# KiCad board main_MagicAlonso-rounded.kicad_pcb (continued)
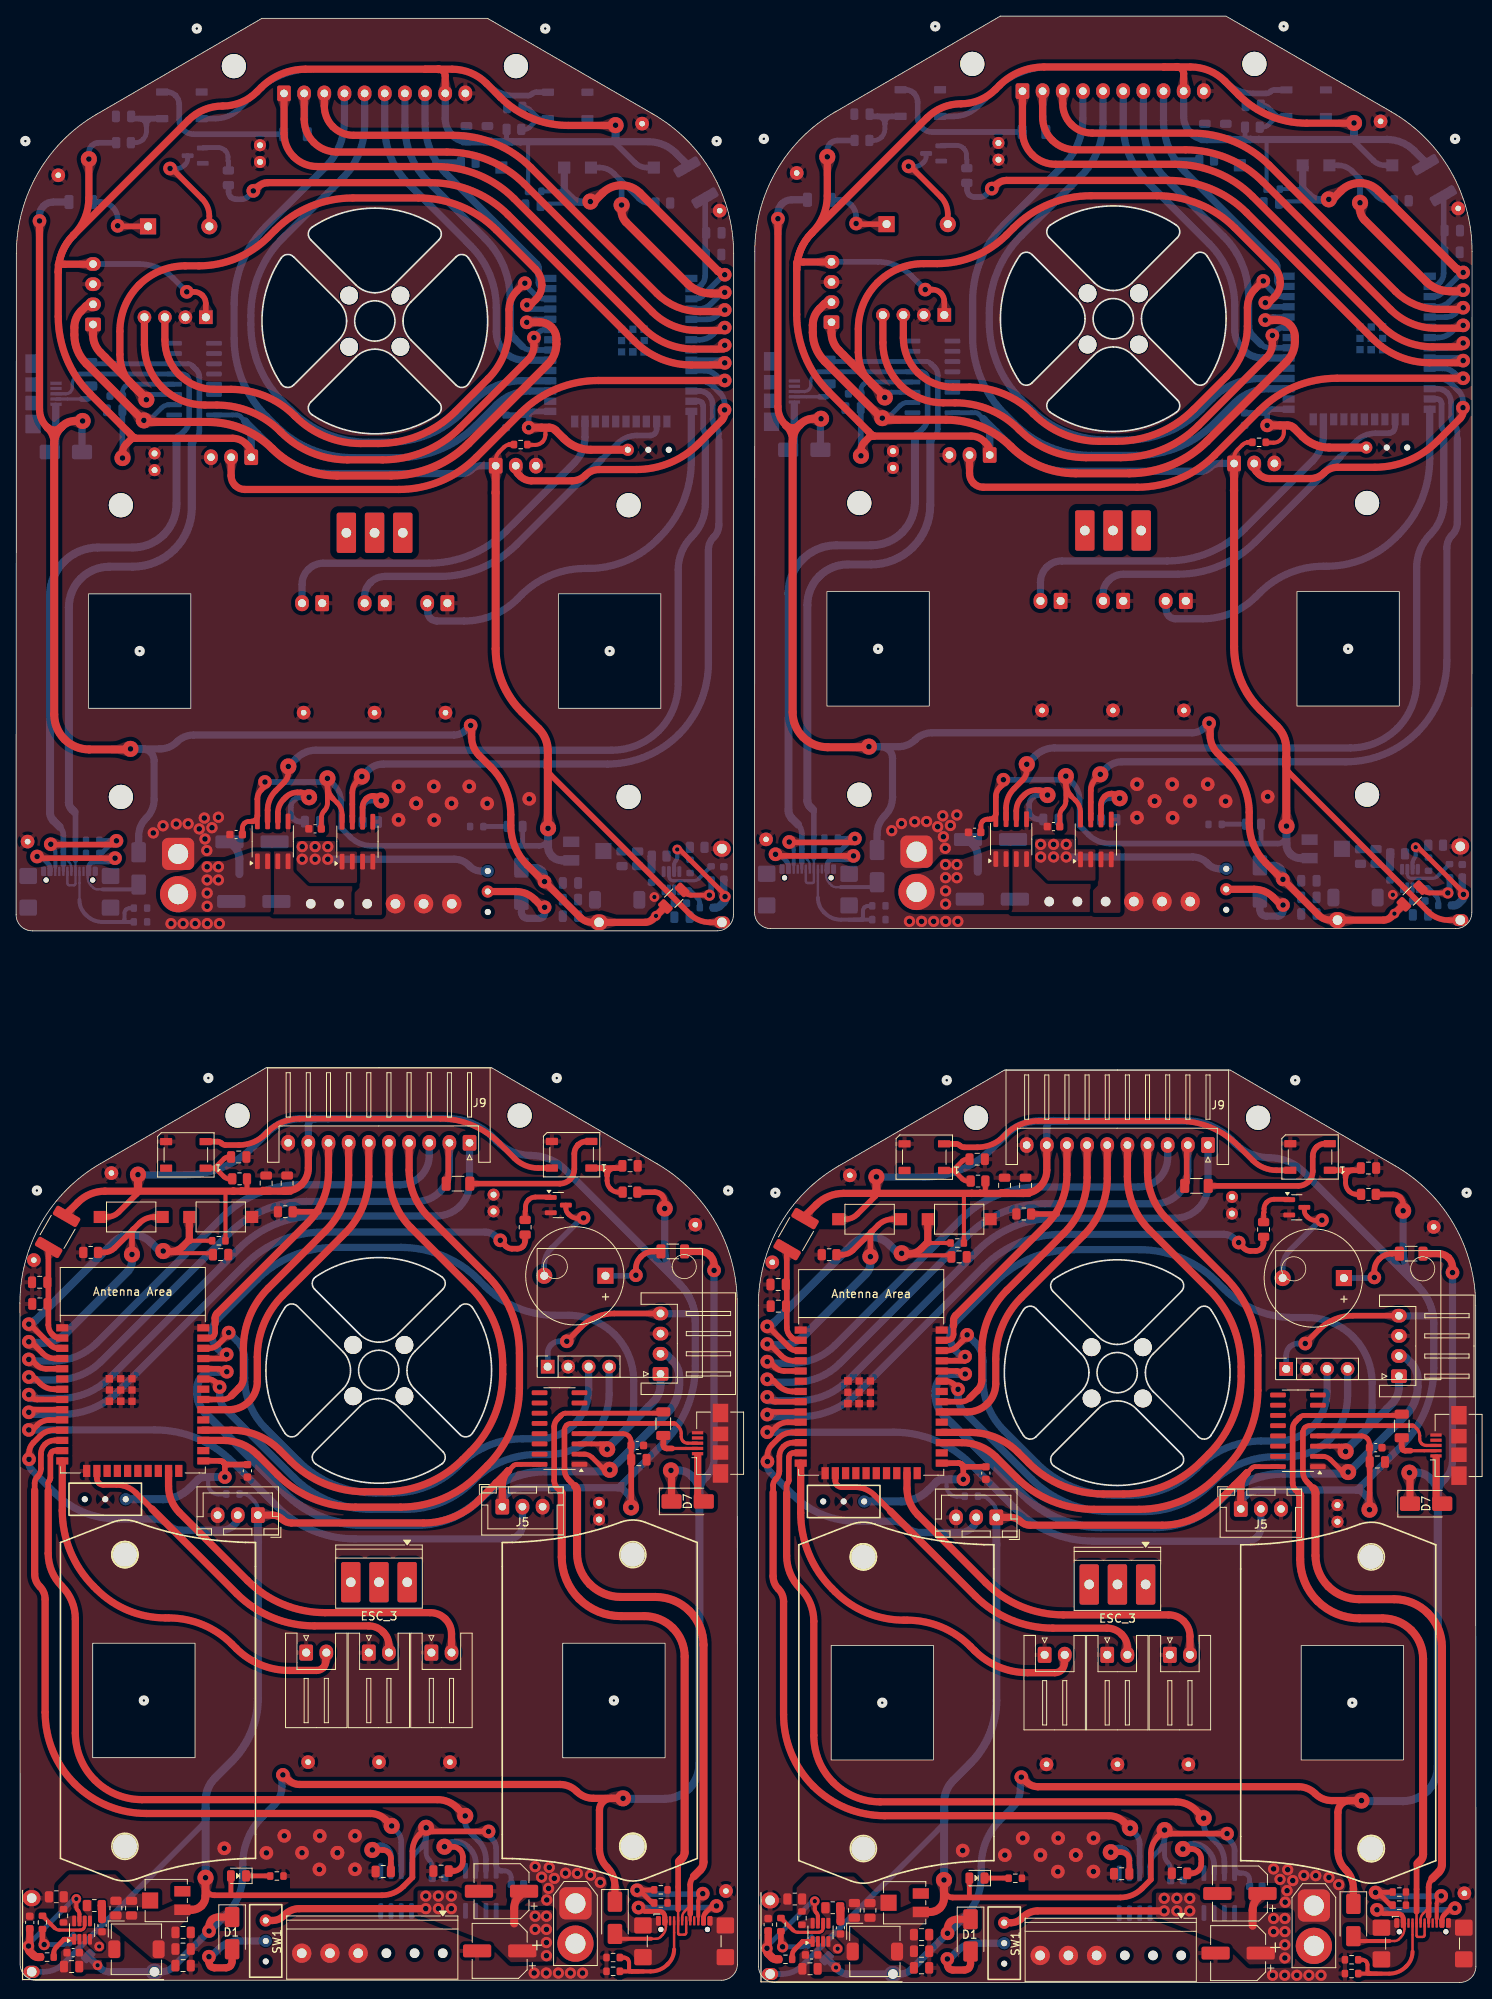
[diagram p0: board, top side]
## Nets (continued)
/BOOT: C8.1 C8#2.1 C8#3.1 C8#4.1 R3.1 R3#2.1 R3#3.1 R3#4.1 SW3.1 SW3#2.1 SW3#3.1 SW3#4.1 U1.25 U1#2.25 U1#3.25 U1#4.25
/BUTTON: R9.2 R9#2.2 R9#3.2 R9#4.2 SW4.2 SW4#2.2 SW4#3.2 SW4#4.2 U1.4 U1#2.4 U1#3.4 U1#4.4
/BUZ: R8.2 R8#2.2 R8#3.2 R8#4.2 U1.9 U1#2.9 U1#3.9 U1#4.9
/CH340C/CC1: J13.A5 J13#2.A5 J13#3.A5 J13#4.A5 R10.2 R10#2.2 R10#3.2 R10#4.2 R11.2 R11#2.2 R11#3.2 R11#4.2
/CH340C/CC2: J13.B5 J13#2.B5 J13#3.B5 J13#4.B5 R12.2 R12#2.2 R12#3.2 R12#4.2 R13.2 R13#2.2 R13#3.2 R13#4.2
/CH340C/D+: J13.A6 J13.B6 J13#2.A6 J13#2.B6 J13#3.A6 J13#3.B6 J13#4.A6 J13#4.B6 J16.3 J16#2.3 J16#3.3 J16#4.3 U4.5 U4#2.5 U4#3.5 U4#4.5
/CH340C/D-: J13.A7 J13.B7 J13#2.A7 J13#2.B7 J13#3.A7 J13#3.B7 J13#4.A7 J13#4.B7 J16.2 J16#2.2 J16#3.2 J16#4.2 REF**#6.1 REF**#6.2 REF**#9.1 REF**#9.2 REF**#15.1 REF**#15.2 REF**#17.1 REF**#17.2 U4.6 U4#2.6 U4#3.6 U4#4.6
/CH340C/VMusB: D7.2 D7#2.2 D7#3.2 D7#4.2 J16.1 J16#2.1 J16#3.1 J16#4.1
/CH340C/VMusC: D6.2 D6#2.2 D6#3.2 D6#4.2 J13.A4 J13.A9 J13.B4 J13.B9 J13#2.A4 J13#2.A9 J13#2.B4 J13#2.B9 J13#3.A4 J13#3.A9 J13#3.B4 J13#3.B9 J13#4.A4 J13#4.A9 J13#4.B4 J13#4.B9
/CurrESC1&2: U1.13 U1#2.13 U1#3.13 U1#4.13 U2.7 U2#2.7 U2#3.7 U2#4.7
/CurrESC2: U1.12 U1#2.12 U1#3.12 U1#4.12 U3.7 U3#2.7 U3#3.7 U3#4.7
/D_LED: D3.2 D3#2.2 D3#3.2 D3#4.2 D5.4 D5#2.4 D5#3.4 D5#4.4
/Data_1aux: J9.2 J9#2.2 J9#3.2 J9#4.2 REF**#7.2 REF**#8.2 REF**#12.2 REF**#14.2 U1.7 U1#2.7 U1#3.7 U1#4.7
/Data_2aux: J9.1 J9#2.1 J9#3.1 J9#4.1 U1.8 U1#2.8 U1#3.8 U1#4.8
/Data_EN: J9.8 J9#2.8 J9#3.8 J9#4.8 R6.2 R6#2.2 R6#3.2 R6#4.2 U1.37 U1#2.37 U1#3.37 U1#4.37
/Data_S0: J9.7 J9#2.7 J9#3.7 J9#4.7 U1.31 U1#2.31 U1#3.31 U1#4.31
/Data_S1: J9.6 J9#2.6 J9#3.6 J9#4.6 U1.30 U1#2.30 U1#3.30 U1#4.30
/Data_S2: J9.5 J9#2.5 J9#3.5 J9#4.5 U1.28 U1#2.28 U1#3.28 U1#4.28
/Data_S3: J9.4 J9#2.4 J9#3.4 J9#4.4 U1.27 U1#2.27 U1#3.27 U1#4.27
/Data_SIG: J9.3 J9#2.3 J9#3.3 J9#4.3 U1.5 U1#2.5 U1#3.5 U1#4.5
/EN: C7.1 C7#2.1 C7#3.1 C7#4.1 R2.1 R2#2.1 R2#3.1 R2#4.1 SW2.1 SW2#2.1 SW2#3.1 SW2#4.1 U1.3 U1#2.3 U1#3.3 U1#4.3
/Enc1: J4.2 J4#2.2 J4#3.2 J4#4.2 U1.11 U1#2.11 U1#3.11 U1#4.11
/Enc2: J5.2 J5#2.2 J5#3.2 J5#4.2 U1.10 U1#2.10 U1#3.10 U1#4.10
/ESC1&2_VM: J15.1 J15.2 J15#2.1 J15#2.2 J15#3.1 J15#3.2 J15#4.1 J15#4.2 U2.3 U2.4 U2#2.3 U2#2.4 U2#3.3 U2#3.4 U2#4.3 U2#4.4
/ESC3_VM: J15.3 J15#2.3 J15#3.3 J15#4.3 U3.3 U3.4 U3#2.3 U3#2.4 U3#3.3 U3#3.4 U3#4.3 U3#4.4
/ESC_1: J10.2 J10#2.2 J10#3.2 J10#4.2 U1.14 U1#2.14 U1#3.14 U1#4.14
/ESC_2: J11.2 J11#2.2 J11#3.2 J11#4.2 U1.16 U1#2.16 U1#3.16 U1#4.16
/ESC_3: J12.2 J12#2.2 J12#3.2 J12#4.2 U1.23 U1#2.23 U1#3.23 U1#4.23
/LEDs: D3.4 D3#2.4 D3#3.4 D3#4.4
/RX: J14.1 J14#2.1 J14#3.1 J14#4.1 U1.35 U1#2.35 U1#3.35 U1#4.35 U4.3 U4#2.3 U4#3.3 U4#4.3
/SCL: J2.3 J2#2.3 J2#3.3 J2#4.3 U1.36 U1#2.36 U1#3.36 U1#4.36
/SDA: J2.4 J2#2.4 J2#3.4 J2#4.4 U1.33 U1#2.33 U1#3.33 U1#4.33
/StepDown_2315/AAM: R16.1 R16#2.1 R16#3.1 R16#4.1 ST1.1 ST1#2.1 ST1#3.1 ST1#4.1
/StepDown_2315/BST: R14.2 R14#2.2 R14#3.2 R14#4.2 ST1.5 ST1#2.5 ST1#3.5 ST1#4.5
/StepDown_2315/FB: Rt1.1 Rt1#2.1 Rt1#3.1 Rt1#4.1 ST1.8 ST1#2.8 ST1#3.8 ST1#4.8
/StepDown_2315/Rt: R17.2 R17#2.2 R17#3.2 R17#4.2 Rp1.1 Rp1#2.1 Rp1#3.1 Rp1#4.1 Rp2.1 Rp2#2.1 Rp2#3.1 Rp2#4.1 Rt1.2 Rt1#2.2 Rt1#3.2 Rt1#4.2 RV1.2 RV1#2.2 RV1#3.2 RV1#4.2
/StepDown_2315/SW: C19.2 C19#2.2 C19#3.2 C19#4.2 L1.1 L1#2.1 L1#3.1 L1#4.1 ST1.3 ST1#2.3 ST1#3.3 ST1#4.3
/TX: J14.2 J14#2.2 J14#3.2 J14#4.2 U1.34 U1#2.34 U1#3.34 U1#4.34 U4.2 U4#2.2 U4#3.2 U4#4.2
/Vb: C17.1 C17#2.1 C17#3.1 C17#4.1 C18.1 C18#2.1 C18#3.1 C18#4.1 D1.1 D1#2.1 D1#3.1 D1#4.1 D6.1 D6#2.1 D6#3.1 D6#4.1 D7.1 D7#2.1 D7#3.1 D7#4.1 R4.2 R4#2.2 R4#3.2 R4#4.2 R15.2 R15#2.2 R15#3.2 R15#4.2 REF**#4.1 REF**#4.2 REF**#10.1 REF**#10.2 REF**#18.1 REF**#18.2 REF**#19.1 REF**#19.2 ST1.2 ST1#2.2 ST1#3.2 ST1#4.2 U6.1 U6#2.1 U6#3.1 U6#4.1
/VM: C2.1 C2#2.1 C2#3.1 C2#4.1 C28.1 C28#2.1 C28#3.1 C28#4.1 J1.P J1#2.P J1#3.P J1#4.P SW1.1 SW1#2.1 SW1#3.1 SW1#4.1 U2.1 U2.2 U2#2.1 U2#2.2 U2#3.1 U2#3.2 U2#4.1 U2#4.2 U3.1 U3.2 U3#2.1 U3#2.2 U3#3.1 U3#3.2 U3#4.1 U3#4.2
Net-(BZ1-+): BZ1.1 BZ1#2.1 BZ1#3.1 BZ1#4.1 R4.1 R4#2.1 R4#3.1 R4#4.1
Net-(BZ1--): BZ1.2 BZ1#2.2 BZ1#3.2 BZ1#4.2 Q1.3 Q1#2.3 Q1#3.3 Q1#4.3
Net-(C19-Pad1): C19.1 C19#2.1 C19#3.1 C19#4.1 R14.1 R14#2.1 R14#3.1 R14#4.1
Net-(D1-A): D1.2 D1#2.2 D1#3.2 D1#4.2 SW1.2 SW1#2.2 SW1#3.2 SW1#4.2
Net-(D2-K): D2.1 D2#2.1 D2#3.1 D2#4.1 R1.1 R1#2.1 R1#3.1 R1#4.1
Net-(D3-VDD): C24.1 C24#2.1 C24#3.1 C24#4.1 D3.1 D3#2.1 D3#3.1 D3#4.1 R5.1 R5#2.1 R5#3.1 R5#4.1
Net-(D5-VDD): C26.1 C26#2.1 C26#3.1 C26#4.1 D5.1 D5#2.1 D5#3.1 D5#4.1 R7.1 R7#2.1 R7#3.1 R7#4.1
Net-(Q1-G): Q1.1 Q1#2.1 Q1#3.1 Q1#4.1 R8.1 R8#2.1 R8#3.1 R8#4.1
Net-(ST1-EN/SYNC): R15.1 R15#2.1 R15#3.1 R15#4.1 ST1.6 ST1#2.6 ST1#3.6 ST1#4.6
Net-(U2-FILTER): C9.1 C9#2.1 C9#3.1 C9#4.1 U2.6 U2#2.6 U2#3.6 U2#4.6
Net-(U3-FILTER): C10.1 C10#2.1 C10#3.1 C10#4.1 U3.6 U3#2.6 U3#3.6 U3#4.6

Pads without a net: D5 2; D5#2 2; D5#3 2; D5#4 2; ESC_3 1 2 3; ESC_3#2 1 2 3; ESC_3#3 1 2 3; ESC_3#4 1 2 3; J13 A8 B8; J13#2 A8 B8; J13#3 A8 B8; J13#4 A8 B8; J16 4; J16#2 4; J16#3 4; J16#4 4; REF**#7 1; REF**#8 1; REF**#12 1; REF**#14 1; RV1 1; RV1#2 1; RV1#3 1; RV1#4 1; SW1 3; SW1#2 3; SW1#3 3; SW1#4 3; SW3 3; SW3#2 3; SW3#3 3; SW3#4 3; U1 6 17 18 19 20 21 22 24 26 29 32; U1#2 6 17 18 19 20 21 22 24 26 29 32; U1#3 6 17 18 19 20 21 22 24 26 29 32; U1#4 6 17 18 19 20 21 22 24 26 29 32; U4 7 8 9 10 11 12 13 14 15; U4#2 7 8 9 10 11 12 13 14 15; U4#3 7 8 9 10 11 12 13 14 15; U4#4 7 8 9 10 11 12 13 14 15

## Via types
v1: diameter 1.7, hole 0.7, Top to Bottom, 144 vias
v2: diameter 2, hole 0.7, Top to Bottom, 60 vias
v3: diameter 1.2, hole 0.55, Top to Bottom, 12 vias
v4: diameter 1.4, hole 0.7, Top to Bottom, 116 vias

## Routing (per net, layer and track width the routed paths; a pad name or vN(x,y) marks a point on that pad's centre or on a via; arc(x,y) is an arc through that point)
+3.3V: length 1753.5
  Top w0.5: 26.02,98.21 26,98.19 arc(25.98,98.16) 25.97,98.13 R2.2 ; 118.55,97.91 118.56,97.92 arc(118.56,97.93) 118.56,97.93 ; 117.65,97.93 117.62,97.91 arc(117.61,97.88) 117.6,97.85 R2#2.2 ; J4#4.1 151.12,189.15 arc(151.24,189.74) 151.57,190.24 152.15,190.81 arc(152.51,191.06) 152.94,191.14 153.08,191.14 152.78,191.14 arc(152.77,191.14) 152.76,191.15 152.76,191.15 ; 61.14,190.87 61.14,190.87 arc(61.15,190.86) 61.15,190.86 61.46,190.86 61.31,190.86 arc(60.89,190.78) 60.52,190.54 59.95,189.96 arc(59.62,189.46) 59.5,188.87 J4#3.1 ; 26.92,98.19 26.94,98.2 arc(26.94,98.21) 26.93,98.21
  Top w0.6: 61.1,63.53 61.7,64.13 arc(61.89,64.26) 62.12,64.3 U4.16 ; 130.89,147.25 131.45,146.69 arc(131.91,146) 132.07,145.2 U3.8 ; R5.2 120.27,98.07 arc(120.26,98.02) 120.23,97.97 arc(120.18,97.94) 120.13,97.93 ; C5#2.2 28.08,143.27 arc(28.14,143.59) 28.31,143.85 arc(28.58,144.03) 28.89,144.09 29.25,144.09 ; R5#2.2 28.64,98.35 arc(28.63,98.29) 28.6,98.25 arc(28.56,98.22) 28.51,98.21 ; 39.27,146.97 39.83,146.41 arc(40.29,145.73) 40.45,144.92 U3#2.8 ; D2.2 26.65,10.87 ; U4.4 75.3,68.11 arc(75.68,68.04) 76.01,67.82 arc(76.22,67.5) 76.3,67.11 76.3,66.67 arc(76.3,66.65) 76.31,66.64 arc(76.32,66.63) 76.32,66.61 C13.1 ; U4#2.16 153.75,64.03 arc(153.52,63.98) 153.32,63.85 152.72,63.25 ; C5.2 119.7,143.55 arc(119.76,143.86) 119.94,144.13 arc(120.2,144.31) 120.52,144.37 120.87,144.37 ; U4#2.4 166.92,67.84 arc(167.31,67.76) 167.63,67.54 arc(167.85,67.22) 167.92,66.84 167.92,66.39 arc(167.93,66.38) 167.94,66.36 arc(167.95,66.35) 167.95,66.33 C13#2.1 ; D2#2.2 118.28,10.59 ; v2(130.25,149.72) 130.25,146.62 arc(130.15,146.13) 129.87,145.72 arc(129.6,145.3) 129.5,144.81 129.5,143.48 arc(129.5,143.47) 129.51,143.46 arc(129.51,143.45) 129.5,143.45 C6#2.2 ; C6.2 37.88,143.17 arc(37.88,143.18) 37.88,143.18 arc(37.88,143.19) 37.88,143.2 37.88,144.53 arc(37.97,145.02) 38.25,145.44 arc(38.53,145.85) 38.62,146.34 v2(38.62,149.44)
  Top w0.7: J14.4 165.84,82.75 arc(163.58,82.3) 161.67,81.03 v1(159.95,79.3) ; v2(172.1,95.78) 172.1,96.56 arc(172,97.04) 171.74,97.44 arc(171.33,97.71) 170.86,97.8 168.72,97.8 arc(168.72,97.8) 168.71,97.81 R7.2 ; v2(23.5,13) 23.5,11.92 arc(23.82,11.15) 24.59,10.83 45.38,10.83 arc(46.83,11.12) 48.06,11.94 49.17,13.05 49.17,16.3 arc(49.4,17.41) 50.02,18.35 v2(50.87,19.2) 51.1,18.98 arc(51.35,18.81) 51.64,18.75 v1(58.62,18.75) ; v1(122.5,149.27) 122.5,149.02 arc(122.45,148.78) 122.32,148.59 122.03,148.3 arc(121.68,147.77) 121.56,147.16 121.56,145.06 arc(121.36,144.57) 120.87,144.37 ; v2(115.12,12.72) 115.12,11.64 arc(115.44,10.87) 116.21,10.55 137,10.55 arc(138.45,10.84) 139.69,11.66 140.8,12.78 140.8,16.02 arc(141.02,17.13) 141.65,18.07 v2(142.5,18.93) 142.72,18.7 arc(142.97,18.53) 143.27,18.47 v1(150.25,18.47) ; J14#2.4 74.21,83.03 arc(71.96,82.58) 70.05,81.3 v1(68.32,79.58) ; SW4#2.1 11.25,95 arc(12.06,95.16) 12.74,95.62 14.99,97.87 arc(15.09,98.02) 15.12,98.2 ; 167.57,59.03 v2(167.92,58.68) 167.94,58.69 arc(167.95,58.7) 167.95,58.72 C13#2.1 ; v1(112.8,210.09) 113.69,210.09 arc(114.25,209.98) 114.73,209.66 arc(115.05,209.18) 115.16,208.61 J2#3.1 ; 120.71,189.65 120.62,189.74 ; v1(21.18,209.81) 22.06,209.81 arc(22.63,209.7) 23.11,209.38 arc(23.43,208.9) 23.54,208.34 23.54,206.66 ; v2(38.62,149.44) 38.62,148.52 arc(38.79,147.68) 39.27,146.97 ; U6#3.3 86.09,131.57 arc(84.73,131.84) 83.58,132.61 66.34,149.85 arc(66.07,150.25) 65.97,150.72 ; U6#4.3 177.72,131.85 arc(176.36,132.12) 175.2,132.89 157.96,150.13 arc(157.69,150.53) 157.6,151 ; 29.09,189.37 29,189.46 ; R7#2.2 77.09,98.08 arc(77.09,98.08) 77.1,98.08 79.24,98.08 arc(79.71,97.98) 80.11,97.72 arc(80.38,97.31) 80.47,96.84 v2(80.47,96.05) ; 75.95,59.3 v2(76.3,58.95) 76.31,58.97 arc(76.32,58.98) 76.32,59 C13.1 ; SW4.1 102.87,94.72 arc(103.68,94.89) 104.37,95.34 106.61,97.59 arc(106.71,97.74) 106.75,97.92 ; v2(130.25,149.72) 130.25,148.8 arc(130.42,147.96) 130.89,147.25 ; v1(30.88,148.99) 30.88,148.74 arc(30.83,148.51) 30.7,148.31 30.41,148.02 arc(30.06,147.5) 29.94,146.88 29.94,144.78 arc(29.73,144.29) 29.25,144.09
  Top w0.9: 118.59,97.93 102.66,97.93 arc(100.83,97.57) 99.28,96.53 98,95.26 arc(97.92,95.12) 97.89,94.97 F1#2.1 ; 118.59,97.93 119.6,97.93 ; 118.59,97.93 arc(118.57,97.93) 118.56,97.92 ; 98.75,217.14 113,231.39 arc(114.95,232.69) 117.25,233.15 arc(119.54,233.61) 121.49,234.91 122.02,235.44 arc(124.55,237.13) 127.54,237.72 142.39,237.72 ; 98.75,217.14 arc(97.34,215.04) 96.85,212.55 ; 98.75,217.14 arc(97.34,215.04) 96.85,212.55 ; 98.75,217.14 arc(100.15,219.24) 100.65,221.73 v2(100.65,226.57) 100.18,226.57 ; J4.1 31.81,58 arc(32.45,57.88) 32.99,57.52 arc(33.53,57.15) 34.16,57.03 50.55,57.03 arc(54.29,57.77) 57.46,59.89 59.55,61.98 ; 106.48,191.92 118.49,191.92 arc(119.38,191.74) 120.12,191.24 120.45,190.92 arc(120.71,190.53) 120.8,190.07 120.8,189.69 arc(120.77,189.64) 120.71,189.65 ; 106.48,191.92 106.16,191.92 ; 106.48,191.92 arc(106.33,191.94) 106.21,192.03 ; J9#2.9 36.26,101.08 arc(36.04,99.98) 35.42,99.05 arc(34.48,98.42) 33.38,98.2 28,98.2 arc(27.99,98.2) 27.99,98.21 ; J9#4.9 53.24,236.62 arc(53,237.2) 52.42,237.44 ; 28.51,98.21 27.99,98.21 ; 27.99,98.21 27.98,98.21 ; 27.99,98.21 arc(27.99,98.21) 27.99,98.21 ; 52.42,237.44 54.09,237.44 arc(56.4,236.98) 58.36,235.67 60.09,233.95 arc(63.95,231.37) 68.51,230.46 74.33,230.46 arc(74.35,230.47) 74.36,230.48 v2(74.38,230.49) ; 52.42,237.44 50.77,237.44 ; 52.42,237.44 50.77,237.44 ; 7.12,216.86 21.38,231.11 arc(23.32,232.42) 25.62,232.87 arc(27.92,233.33) 29.87,234.63 30.4,235.16 arc(32.93,236.85) 35.91,237.44 50.77,237.44 ; 7.12,216.86 arc(5.72,214.76) 5.22,212.28 ; 7.12,216.86 arc(8.53,218.97) 9.03,221.45 v2(9.03,226.29) 8.55,226.29 ; 7.12,216.86 arc(5.72,214.76) 5.22,212.28 ; 59.55,61.98 61.1,63.53 61.1,63.53 61,63.42 arc(60.5,62.6) 60.32,61.66 ; 59.55,61.98 arc(60.04,62.08) 60.32,61.66 ; v2(166,230.77) 165.99,230.76 arc(165.97,230.74) 165.95,230.74 160.13,230.74 arc(155.57,231.65) 151.71,234.23 149.99,235.95 arc(148.03,237.26) 145.72,237.72 144.04,237.72 ; J4#2.1 123.43,57.72 arc(124.07,57.6) 124.61,57.24 arc(125.15,56.88) 125.79,56.75 142.18,56.75 arc(145.92,57.49) 149.09,59.61 151.17,61.7 ; v2(13.2,189.19) 13.2,189.82 arc(13.32,190.41) 13.65,190.91 14.26,191.52 arc(14.39,191.61) 14.53,191.64 ; 9.55,213.24 5.4,213.24 arc(5.33,213.22) 5.28,213.19 5.22,213.14 ; 119.6,97.93 119.61,97.93 ; 119.6,97.93 arc(119.61,97.93) 119.61,97.93 ; 119.61,97.93 120.13,97.93 ; 119.61,97.93 arc(119.61,97.93) 119.61,97.93 ; 6.03,213.23 6.03,213.24 ; 26.97,98.21 27.98,98.21 ; 26.97,98.21 11.03,98.21 arc(9.21,97.85) 7.66,96.81 6.38,95.53 arc(6.29,95.4) 6.26,95.25 F1.1 ; 26.97,98.21 arc(26.95,98.21) 26.94,98.2 ; 27.98,98.21 arc(27.98,98.21) 27.99,98.21 ; 5.22,212.28 5.22,206.74 arc(6.26,201.54) 9.21,197.12 14.58,191.75 ; J9.9 127.88,100.8 arc(127.66,99.7) 127.04,98.77 arc(126.11,98.14) 125.01,97.93 119.62,97.93 arc(119.61,97.93) 119.61,97.93 ; 106.16,191.92 arc(106.01,191.89) 105.89,191.8 105.27,191.19 arc(104.94,190.69) 104.82,190.1 v2(104.82,189.47) ; 106.16,191.92 arc(106.22,191.96) 106.21,192.03 ; 14.53,191.64 14.85,191.64 ; 14.53,191.64 arc(14.6,191.68) 14.58,191.75 ; 14.85,191.64 26.87,191.64 arc(27.75,191.46) 28.5,190.96 28.82,190.64 arc(29.08,190.25) 29.18,189.79 29.18,189.41 arc(29.14,189.36) 29.09,189.37 ; 14.85,191.64 arc(14.71,191.67) 14.58,191.75 ; 151.95,61.38 J5.1 ; 151.95,61.38 arc(152.12,62.32) 152.62,63.14 152.72,63.25 152.72,63.25 151.17,61.7 ; 151.95,61.38 arc(151.67,61.8) 151.17,61.7 ; 97.65,213.51 97.66,213.52 ; 60.32,61.66 J5#2.1 ; 144.04,237.72 142.39,237.72 ; 144.04,237.72 142.39,237.72 ; 144.04,237.72 arc(144.62,237.48) 144.86,236.9 J9#3.9 ; 101.17,213.52 97.02,213.52 arc(96.95,213.5) 96.9,213.47 96.85,213.42 ; 106.21,192.03 100.83,197.4 arc(97.88,201.81) 96.85,207.02 96.85,212.55
  Top w1: v2(115.12,12.72) 115.12,10.46 arc(114.99,9.8) 114.62,9.25 arc(114.07,8.88) 113.42,8.75 RV1#2.3 ; 157.6,152.03 157.6,151 ; 157.6,152.03 157.6,153.13 arc(157.3,154.61) 156.46,155.87 154.36,157.97 arc(151.97,161.56) 151.12,165.79 J4#4.1 ; 157.6,152.03 157.6,151 ; 157.6,151 157.6,143.56 arc(157.6,143.54) 157.61,143.53 v2(157.62,143.52) ; v2(106.74,99.98) 106.75,99.98 arc(106.75,99.97) 106.75,99.97 106.75,97.92 ; v2(66,143.24) 65.99,143.25 arc(65.98,143.26) 65.97,143.28 65.97,150.72 ; 65.97,150.72 65.97,151.75 ; 65.97,150.72 65.97,151.75 ; 65.97,151.75 65.97,152.85 arc(65.68,154.33) 64.84,155.6 62.74,157.69 arc(60.34,161.28) 59.5,165.51 J4#3.1 ; 151.1,185.17 151.12,185.14 ; v2(23.5,13) 23.5,10.74 arc(23.37,10.08) 23,9.53 arc(22.45,9.16) 21.79,9.03 RV1.3 ; 59.47,184.89 59.5,184.86 ; v2(15.12,100.26) 15.12,100.26 arc(15.12,100.25) 15.12,100.25 15.12,98.2
  Bottom w0.5: 62.58,228.42 62.56,228.43 arc(62.56,228.44) 62.57,228.44 ; R2#4.2 155.15,228.64 arc(155.14,228.67) 155.12,228.7 155.1,228.72 ; J4.1 30,58.64 arc(29.88,59.23) 29.55,59.73 28.98,60.3 arc(28.61,60.54) 28.19,60.63 28.04,60.63 28.35,60.63 arc(28.35,60.63) 28.36,60.63 28.36,60.64 ; R2#3.2 63.53,228.36 arc(63.52,228.39) 63.5,228.42 63.47,228.44 ; 154.2,228.7 154.19,228.71 arc(154.18,228.72) 154.19,228.72 ; 119.99,60.36 119.98,60.35 arc(119.98,60.35) 119.97,60.35 119.66,60.35 119.81,60.35 arc(120.24,60.27) 120.6,60.02 121.17,59.45 arc(121.51,58.95) 121.62,58.36 J4#2.1
  Bottom w0.6: U3#4.8 49.05,14.69 arc(49.21,15.49) 49.67,16.17 50.23,16.73 ; U4#3.16 119,194.82 arc(119.23,194.77) 119.43,194.64 120.02,194.04 ; 28.4,193.76 27.8,194.36 arc(27.61,194.49) 27.38,194.54 U4#4.16 ; v2(50.87,19.2) 50.87,16.11 arc(50.97,15.62) 51.25,15.2 arc(51.53,14.79) 51.62,14.3 51.62,12.96 arc(51.62,12.95) 51.62,12.95 arc(51.62,12.94) 51.62,12.94 C6#3.2 ; 151.88,13.58 152.23,13.58 arc(152.54,13.52) 152.81,13.34 arc(152.99,13.07) 153.05,12.76 C5#4.2 ; U3#3.8 140.68,14.41 arc(140.84,15.21) 141.29,15.9 141.85,16.45 ; C5#3.2 61.42,13.04 arc(61.36,13.35) 61.18,13.62 arc(60.92,13.8) 60.61,13.86 60.25,13.86 ; C6#4.2 143.24,12.66 arc(143.24,12.66) 143.24,12.67 arc(143.25,12.68) 143.25,12.69 143.25,14.02 arc(143.15,14.51) 142.87,14.93 arc(142.6,15.34) 142.5,15.83 v2(142.5,18.93) ; D2#3.2 154.47,141.38 ; C13#3.1 104.8,197.12 arc(104.8,197.14) 104.81,197.15 arc(104.82,197.17) 104.82,197.18 104.82,197.63 arc(104.9,198.01) 105.12,198.33 arc(105.44,198.55) 105.82,198.63 U4#3.4 ; U4#4.4 14.2,198.35 arc(13.82,198.27) 13.49,198.05 arc(13.28,197.73) 13.2,197.35 13.2,196.91 arc(13.2,196.89) 13.19,196.87 arc(13.18,196.86) 13.17,196.84 C13#4.1 ; R5#4.2 152.48,228.86 arc(152.49,228.81) 152.52,228.76 arc(152.57,228.73) 152.62,228.72 ; D2#4.2 62.85,141.1 ; R5#3.2 60.86,228.58 arc(60.87,228.53) 60.9,228.48 arc(60.94,228.46) 60.99,228.44
  Bottom w0.7: v2(157.62,143.52) 157.62,142.43 arc(157.31,141.66) 156.54,141.34 135.75,141.34 arc(134.29,141.63) 133.06,142.45 131.95,143.57 131.95,146.81 arc(131.73,147.92) 131.1,148.87 v2(130.25,149.72) 130.02,149.49 arc(129.77,149.32) 129.48,149.27 v1(122.5,149.27) ; v1(21.18,209.81) 19.45,211.54 arc(17.54,212.81) 15.29,213.26 J14#4.4 ; v1(68.32,79.58) 67.44,79.58 arc(66.87,79.47) 66.39,79.15 arc(66.07,78.67) 65.96,78.1 J2.1 ; v2(100.65,226.57) 100.65,227.35 arc(100.74,227.83) 101.01,228.23 arc(101.41,228.5) 101.89,228.59 104.02,228.59 arc(104.03,228.59) 104.04,228.6 R7#4.2 ; C13#4.1 13.17,189.23 arc(13.18,189.21) 13.19,189.2 v2(13.2,189.19) 13.55,189.54 ; R7#3.2 12.41,228.32 arc(12.41,228.31) 12.4,228.31 10.26,228.31 arc(9.79,228.22) 9.39,227.95 arc(9.12,227.55) 9.03,227.07 v2(9.03,226.29) ; v1(159.95,79.3) 159.06,79.3 arc(158.5,79.19) 158.02,78.87 arc(157.7,78.39) 157.58,77.82 J2#2.1 ; v1(58.62,18.75) 58.62,18.5 arc(58.67,18.27) 58.8,18.08 59.09,17.78 arc(59.44,17.26) 59.56,16.65 59.56,14.55 arc(59.77,14.06) 60.25,13.86 ; v2(50.87,19.2) 50.87,18.29 arc(50.71,17.45) 50.23,16.73 ; J14#3.4 106.91,213.54 arc(109.16,213.09) 111.07,211.82 v1(112.8,210.09) ; 105.17,189.82 v2(104.82,189.47) 104.81,189.48 arc(104.8,189.49) 104.8,189.51 C13#3.1 ; v2(66,143.24) 66,142.15 arc(65.68,141.38) 64.91,141.06 44.12,141.06 arc(42.67,141.35) 41.44,142.17 40.33,143.29 40.33,146.54 arc(40.1,147.65) 39.48,148.59 v2(38.62,149.44) 38.4,149.21 arc(38.15,149.05) 37.86,148.99 v1(30.88,148.99) ; U6#2.3 3.4,1.33 arc(4.77,1.6) 5.92,2.38 23.16,19.62 arc(23.43,20.02) 23.52,20.49 ; U6.3 95.03,1.06 arc(96.39,1.33) 97.55,2.1 114.79,19.34 arc(115.05,19.74) 115.15,20.21 ; v2(142.5,18.93) 142.5,18.01 arc(142.33,17.17) 141.85,16.45 ; 60.41,59.14 60.5,59.23 ; SW4#3.1 169.87,225.52 arc(169.07,225.68) 168.38,226.13 166.13,228.38 arc(166.03,228.53) 166,228.71 ; v1(150.25,18.47) 150.25,18.22 arc(150.29,17.99) 150.43,17.8 150.72,17.5 arc(151.07,16.98) 151.19,16.37 151.19,14.27 arc(151.39,13.78) 151.88,13.58 ; SW4#4.1 78.25,225.24 arc(77.44,225.4) 76.76,225.86 74.51,228.1 arc(74.41,228.25) 74.38,228.43 ; 152.04,58.86 152.12,58.95
  Bottom w0.9: 174,86.35 159.75,100.6 arc(157.8,101.9) 155.5,102.36 arc(153.2,102.82) 151.25,104.12 150.73,104.65 arc(148.2,106.34) 145.21,106.93 130.36,106.93 ; 174,86.35 arc(175.4,84.25) 175.9,81.76 ; 174,86.35 arc(172.59,88.45) 172.1,90.94 v2(172.1,95.78) 172.57,95.78 ; 174,86.35 arc(175.4,84.25) 175.9,81.76 ; 166.27,61.12 154.25,61.12 arc(153.37,60.95) 152.62,60.45 152.3,60.13 arc(152.04,59.74) 151.95,59.28 151.95,58.9 arc(151.98,58.85) 152.04,58.86 ; 166.27,61.12 166.59,61.12 ; 166.27,61.12 arc(166.42,61.15) 166.54,61.24 ; 153.15,228.72 153.14,228.72 ; 153.15,228.72 154.16,228.72 ; 153.15,228.72 arc(153.14,228.72) 153.14,228.72 ; 153.14,228.72 152.62,228.72 ; 153.14,228.72 arc(153.14,228.72) 153.14,228.72 ; 62.53,228.44 61.52,228.44 ; 62.53,228.44 78.47,228.44 arc(80.29,228.08) 81.84,227.05 83.12,225.77 arc(83.21,225.64) 83.24,225.48 F1#4.1 ; 62.53,228.44 arc(62.55,228.44) 62.56,228.43 ; 61.52,228.44 61.51,228.44 ; 61.52,228.44 arc(61.52,228.44) 61.51,228.44 ; 166.54,61.24 171.91,66.61 arc(174.86,71.02) 175.9,76.23 175.9,81.76 ; 166.54,61.24 arc(166.53,61.17) 166.59,61.12 ; 154.16,228.72 170.09,228.72 arc(171.92,228.36) 173.46,227.33 174.74,226.05 arc(174.83,225.92) 174.86,225.76 F1#3.1 ; 154.16,228.72 arc(154.17,228.72) 154.19,228.71 ; 38.73,107.21 53.59,107.21 arc(56.57,106.61) 59.1,104.92 59.63,104.4 arc(61.58,103.1) 63.88,102.64 arc(66.18,102.18) 68.12,100.88 82.37,86.63 ; 38.73,107.21 37.08,107.21 ; 38.73,107.21 37.08,107.21 ; 29.18,191.89 J5#3.1 ; 29.18,191.89 arc(29.46,192.31) 29.95,192.21 ; 29.18,191.89 arc(29,192.83) 28.5,193.66 28.4,193.76 28.4,193.76 29.95,192.21 ; J9#2.9 36.26,106.38 arc(36.5,106.97) 37.08,107.21 ; 171.57,82.72 175.73,82.72 arc(175.79,82.71) 175.85,82.68 175.9,82.62 ; 37.08,107.21 35.41,107.21 arc(33.1,106.75) 31.14,105.44 29.41,103.72 arc(25.55,101.13) 20.99,100.23 15.17,100.23 arc(15.15,100.23) 15.13,100.24 v2(15.12,100.26) ; 120.8,192.17 J5#4.1 ; 120.8,192.17 arc(121.08,192.59) 121.57,192.49 ; 120.8,192.17 arc(120.62,193.11) 120.13,193.93 120.02,194.04 120.02,194.04 121.57,192.49 ; 130.36,106.93 128.71,106.93 ; 130.36,106.93 128.71,106.93 ; 128.71,106.93 127.03,106.93 arc(124.72,106.47) 122.76,105.16 121.04,103.44 arc(117.17,100.86) 112.61,99.95 106.79,99.95 arc(106.78,99.95) 106.76,99.97 v2(106.74,99.98) ; 128.71,106.93 arc(128.13,106.69) 127.88,106.1 J9.9 ; v2(76.3,58.95) 76.3,59.59 arc(76.18,60.18) 75.85,60.68 75.24,61.29 arc(75.11,61.37) 74.96,61.4 ; 74.64,61.4 62.63,61.4 arc(61.75,61.23) 61,60.73 60.68,60.41 arc(60.42,60.01) 60.32,59.55 60.32,59.18 arc(60.36,59.13) 60.41,59.14 ; 74.64,61.4 74.96,61.4 ; 74.64,61.4 arc(74.79,61.43) 74.92,61.52 ; J9#4.9 53.24,231.31 arc(53.46,230.21) 54.08,229.28 arc(55.02,228.66) 56.12,228.44 61.5,228.44 arc(61.51,228.44) 61.51,228.44 ; J4#3.1 57.69,188.24 arc(57.05,188.11) 56.51,187.75 arc(55.97,187.39) 55.34,187.26 38.95,187.26 arc(35.21,188.01) 32.04,190.12 29.95,192.21 ; J4#4.1 149.31,188.52 arc(148.68,188.39) 148.14,188.03 arc(147.6,187.67) 146.96,187.54 130.57,187.54 arc(126.83,188.28) 123.66,190.4 121.57,192.49 ; 82.37,86.63 arc(83.78,84.52) 84.27,82.04 ; 82.37,86.63 arc(83.78,84.52) 84.27,82.04 ; 82.37,86.63 arc(80.97,88.73) 80.47,91.21 v2(80.47,96.05) 80.94,96.05 ; 84.27,82.04 84.27,76.51 arc(83.24,71.3) 80.29,66.89 74.92,61.52 ; 84.27,82.9 84.22,82.95 arc(84.17,82.99) 84.1,83 79.95,83 ; J9#3.9 144.86,231.59 arc(145.08,230.49) 145.71,229.56 arc(146.64,228.93) 147.74,228.72 153.13,228.72 arc(153.13,228.72) 153.14,228.72 ; v2(167.92,58.68) 167.92,59.31 arc(167.81,59.9) 167.47,60.4 166.86,61.01 arc(166.74,61.1) 166.59,61.12 ; 61.51,228.44 60.99,228.44 ; 61.51,228.44 arc(61.51,228.44) 61.51,228.44 ; 83.47,83 83.46,83 ; 175.09,82.72 175.09,82.72 ; 74.92,61.52 arc(74.9,61.44) 74.96,61.4
  Bottom w1: 121.65,54.38 121.62,54.35 ; v2(66,143.24) 66,140.97 arc(66.13,140.32) 66.5,139.76 arc(67.05,139.39) 67.71,139.26 RV1#3.3 ; 30.02,54.65 30,54.63 ; 23.52,21.52 23.52,20.49 ; 23.52,21.52 23.52,22.61 arc(23.82,24.1) 24.66,25.36 26.76,27.46 arc(29.16,31.05) 30,35.28 J4.1 ; 23.52,21.52 23.52,20.49 ; 23.52,20.49 23.52,13.05 arc(23.52,13.03) 23.51,13.02 v2(23.5,13) ; 115.15,21.24 115.15,22.34 arc(115.44,23.82) 116.29,25.08 118.39,27.18 arc(120.78,30.77) 121.62,35 J4#2.1 ; 115.15,21.24 115.15,20.21 ; 115.15,21.24 115.15,20.21 ; 115.15,20.21 115.15,12.77 arc(115.15,12.75) 115.14,12.74 v2(115.12,12.72) ; v2(74.38,230.49) 74.38,230.49 arc(74.38,230.49) 74.38,230.48 74.38,228.43 ; v2(166,230.77) 166,230.77 arc(166,230.77) 166,230.76 166,228.71 ; v2(157.62,143.52) 157.62,141.25 arc(157.75,140.59) 158.12,140.04 arc(158.68,139.67) 159.33,139.54 RV1#4.3
